# KiCad board AmigaPCI Mainboard.kicad_pcb (continued)
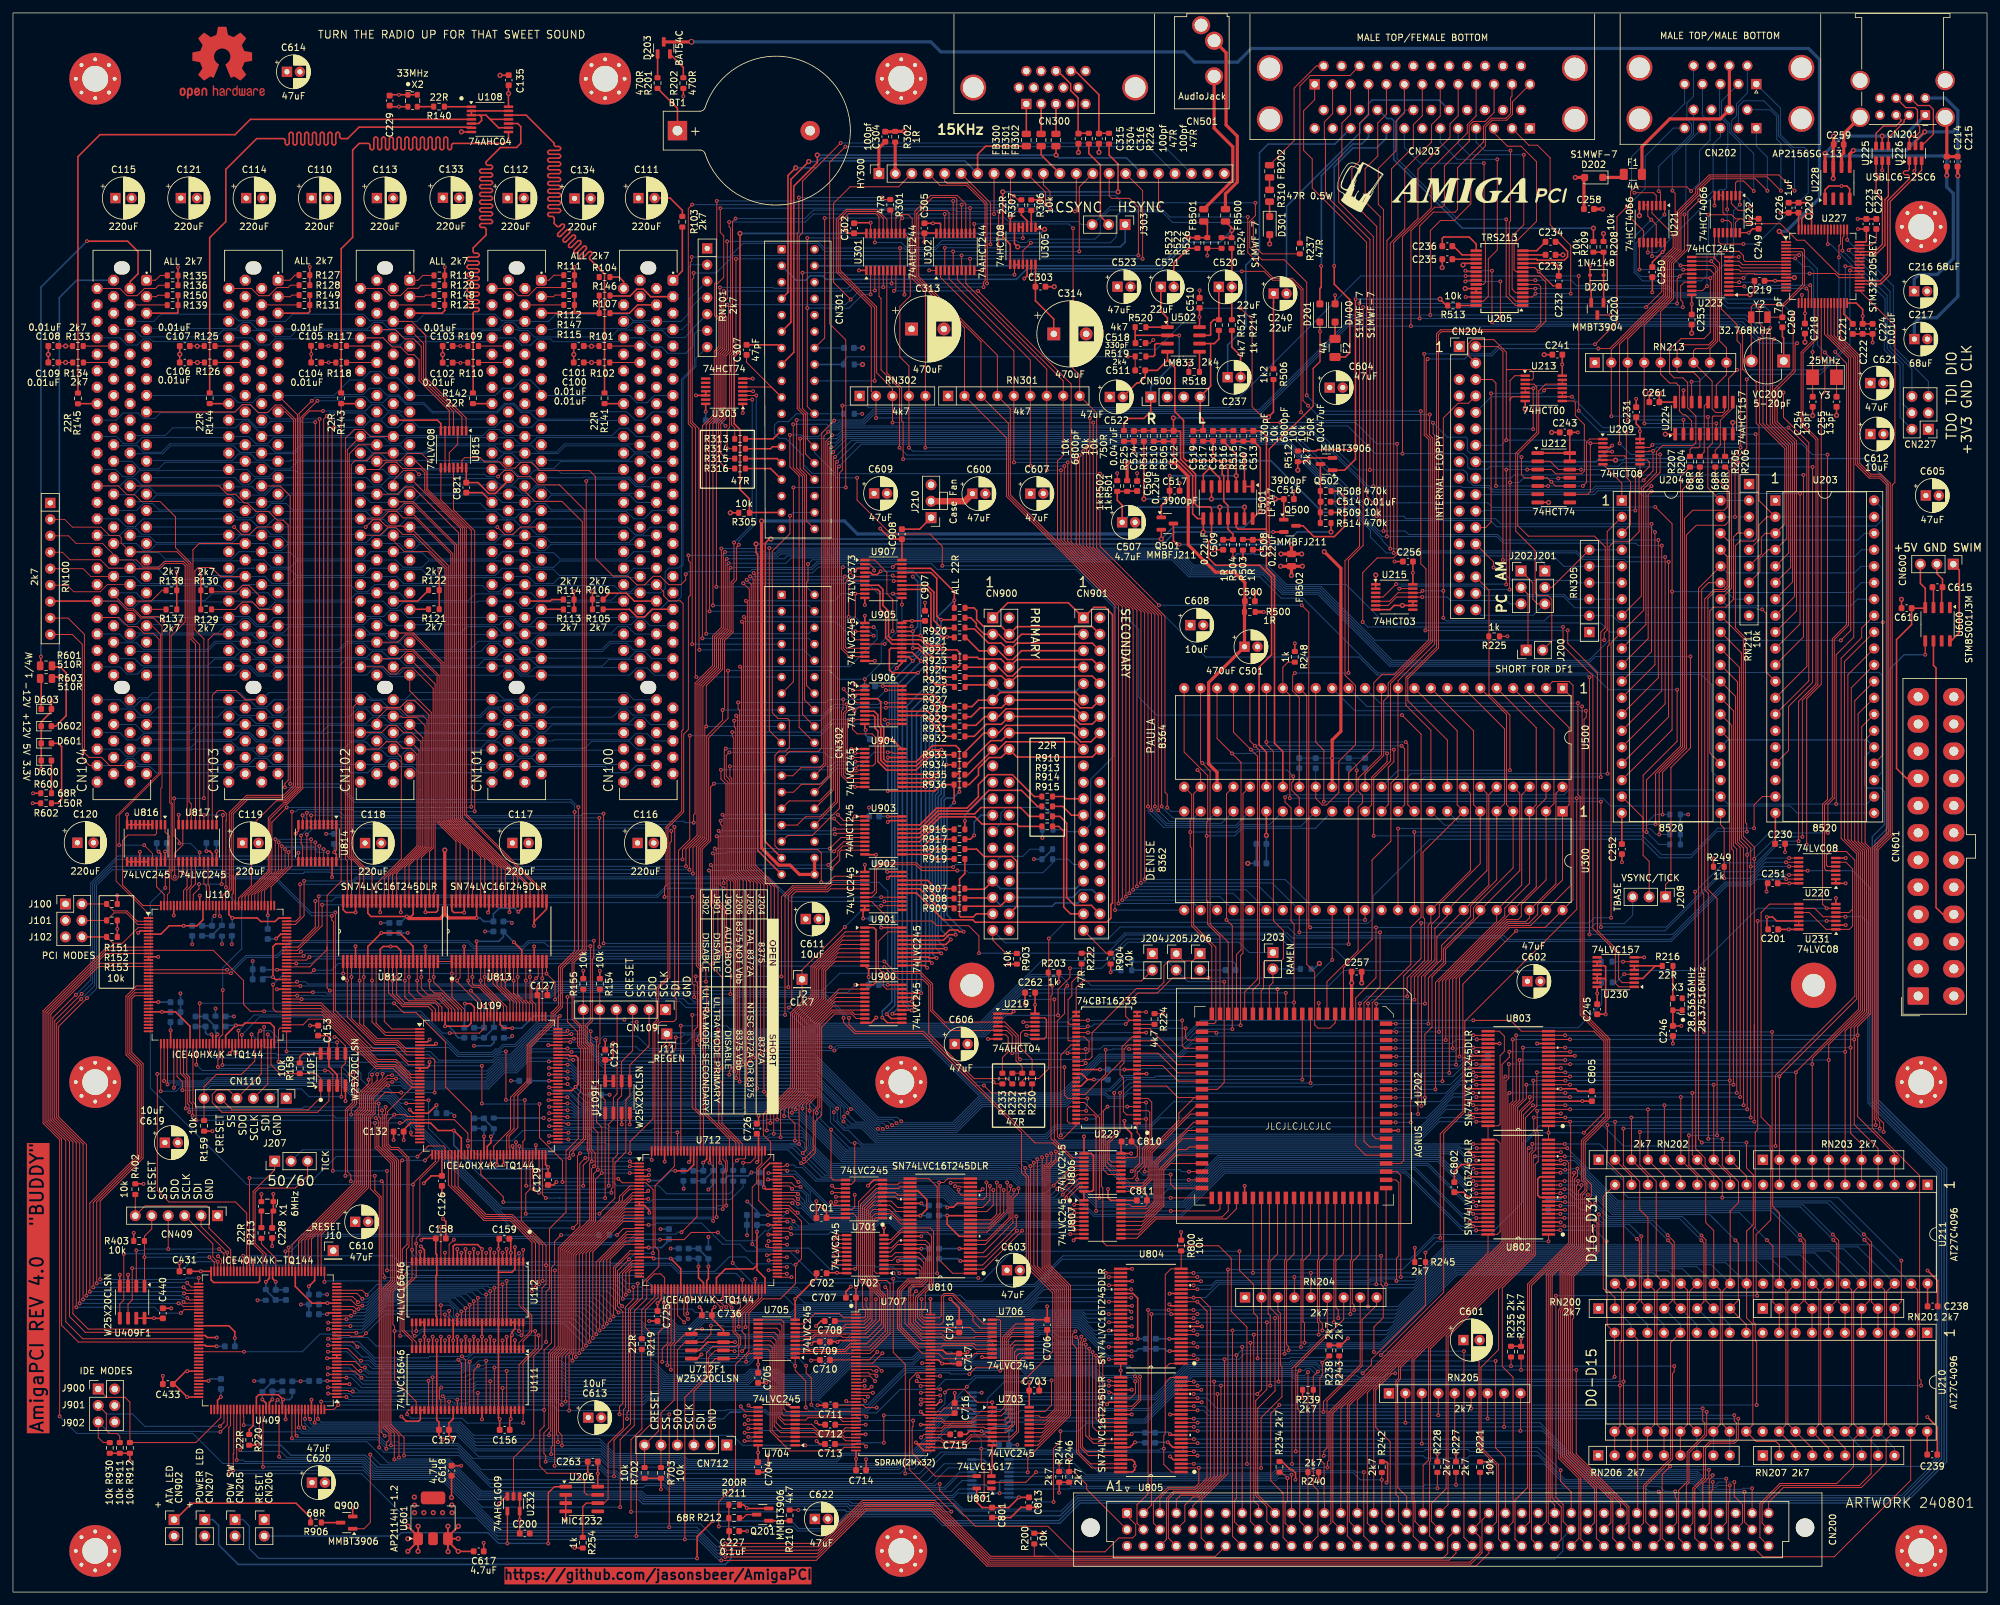
[diagram p0: board, top side]
## Routing (per net, layer and track width the routed paths; a pad name or vN(x,y) marks a point on that pad's centre or on a via; arc(x,y) is an arc through that point) (continued)
  Bottom w0.15: v1(272.73,79.62) v1(240.41,79.62) 240.4,79.61 v1(230.44,79.61)
D25: length 210.1
  Top w0.15: 275.27,62.91 RN203.3 v1(275.27,80.25) 275.27,80.3 284.98,90.01 284.98,114.1 282.79,116.29 282.79,143.67 U203.32 ; v1(235.29,80.25) 235.29,75 233.52,73.23 233.52,52.64 218.56,37.67 218.56,20.38 217.73,19.56 CN200.a19 ; v1(239.68,80.25) 239.68,80.25 U803.14
  Bottom w0.15: v1(275.27,80.25) v1(239.68,80.25) v1(235.29,80.25)
D26: length 218.6
  Top w0.15: U203.31 283.32,141.65 283.32,116.19 285.28,114.23 285.28,89.88 277.81,82.41 v1(277.81,81.53) RN203.4 277.81,62.91 ; U803.16 240.41,81.52 v1(240.42,81.53) ; CN200.a14 205.03,28.39 230.52,53.88 230.52,78.93 230.97,79.38 v1(230.97,81.53)
  Bottom w0.15: v1(277.81,81.53) v1(240.42,81.53) v1(230.97,81.53)
D27: length 217.6
  Top w0.15: U203.30 283.84,139.64 283.84,116.09 285.58,114.35 285.58,89.76 280.35,84.53 v1(280.35,82.16) RN203.5 280.35,62.91 ; U803.17 239.67,82.16 v1(239.67,82.16) ; CN200.b16 209.11,10.65 209.11,30.77 231.72,53.38 231.72,75.09 232.62,75.99 v1(232.62,82.15)
  Bottom w0.15: v1(280.35,82.16) v1(239.67,82.16) 239.66,82.15 v1(232.62,82.15)
D28: length 221.6
  Top w0.15: v1(231.04,83.43) 231.04,82.59 229.92,81.47 229.92,54.13 203.49,27.7 203.49,10.65 CN200.b13 ; 282.89,62.91 RN203.6 v1(282.89,83.43) 282.89,86.64 285.88,89.63 285.88,114.48 284.37,115.99 284.37,137.62 U203.29 ; v1(240.41,83.43) 240.41,83.43 U803.19
  Bottom w0.15: v1(282.89,83.43) v1(240.41,83.43) v1(231.04,83.43)
D29: length 213
  Top w0.15: v1(233.15,84.07) 233.14,84.06 233.14,76.09 232.02,74.97 232.02,53.26 210.11,31.35 CN200.a16 ; 285.43,62.91 RN203.7 285.43,69.15 283.74,70.84 v1(283.74,84.06) 283.74,87.07 286.18,89.51 286.18,114.6 284.89,115.89 284.89,135.6 U203.28 ; v1(239.67,84.06) 239.67,84.06 U803.20
  Bottom w0.15: v1(233.15,84.07) 239.66,84.07 v1(239.67,84.06) v1(283.74,84.06)
D30: length 219
  Top w0.15: v1(231.57,85.33) 231.57,75.79 231.12,75.34 231.12,53.63 206.33,28.84 206.33,10.89 CN200.b15 ; v1(240.41,85.34) 240.4,85.33 U803.22 ; U203.27 285.45,133.62 285.45,115.76 286.48,114.73 286.48,89.38 284.29,87.19 v1(284.29,85.34) 284.29,72.18 287.97,68.5 RN203.8 287.97,62.91
  Bottom w0.15: v1(284.29,85.34) v1(240.41,85.34) 240.4,85.33 v1(231.57,85.33)
D31: length 213.4
  Top w0.15: U803.23 239.66,85.97 v1(239.66,85.97) ; U203.26 285.97,131.6 285.97,115.66 286.78,114.85 286.78,89.26 284.82,87.3 v1(284.82,85.97) 284.82,73.41 290.51,67.72 RN203.9 290.51,62.91 ; CN200.a15 207.57,29.66 231.42,53.51 231.42,75.22 232.1,75.89 232.1,85.96 v1(232.09,85.97)
  Bottom w0.15: v1(232.09,85.97) v1(239.66,85.97) v1(284.82,85.97)
DA0: length 67.5
  Top w0.15: v1(119.21,89.12) 119.2,89.13 119.2,107.45 120.49,108.74 125.47,108.74 126.61,109.89 U902.3 ; v1(104.88,89.11) 104.88,89.1 104.88,74.85 106.12,73.6 U712.129
  Bottom w0.15: v1(119.21,89.12) 104.89,89.12 v1(104.88,89.11)
DA1: length 67.6
  Top w0.15: U712.128 106.62,73.53 105.41,74.74 105.41,82.81 105.18,83.04 105.18,86.75 105.7,87.28 105.7,94.06 105.41,94.36 105.41,95.05 v1(105.41,95.06) ; U902.2 126.84,110.54 125.34,109.04 120.37,109.04 118.65,107.33 v1(118.65,95.06)
  Bottom w0.15: v1(118.65,95.06) v1(105.41,95.06)
DA2: length 66.4
  Top w0.15: U902.4 126.47,109.24 125.67,108.44 120.62,108.44 119.72,107.54 119.72,93.41 v1(119.72,93.4) ; U712.120 110.62,69.95 106.62,73.95 106.62,89.8 107.12,90.3 v1(107.12,93.4)
  Bottom w0.15: v1(119.72,93.4) v1(107.12,93.4)
DBDIR: length 82.6
  Top w0.15: v1(122.4,28.51) 122.4,32.59 120.78,34.21 v1(120.78,34.93) 120.77,34.93 U705.1 ; U706.1 152.31,42.05 152.48,41.88 152.48,35.25 151.93,34.71 148.71,34.71 v1(147.67,33.67) ; v1(101.05,35.02) 101.05,37.98 101.62,38.55 U712.43
  Bottom w0.15: v1(120.78,34.93) 119.48,36.22 114.76,36.22 113.56,35.02 v1(101.05,35.02) ; v1(122.4,28.51) 122.94,27.96 131.95,27.96 137.86,33.88 144.6,33.88 144.81,33.67 v1(147.67,33.67)
DIR: length 81.9
  Top w0.15: v1(276.45,172.5) 276.45,172.49 276.45,147.49 U203.11
  Bottom w0.15: v1(276.45,172.5) 231.77,172.5 231.27,172 CN204.18
DKWE: length 107
  Top w0.15: v1(245.16,125.85) 245.16,148.23 245.85,148.92 245.85,161.39 244.19,163.05 233.98,163.05 232.32,164.7 232.32,175.73 235.58,178.98 235.58,185.47 236.63,186.52 239.21,186.52 U213.13
  Bottom w0.15: v1(245.16,125.85) 217.9,125.85 U500.39
DMAL: length 54.3
  Top w0.15: U500.12 211.31,129.27 207.69,125.66 207.69,123.67 208.38,122.99 208.38,121.89 207.69,121.2 207.69,99.06 202.88,94.24 U202.18
DRA0-G: length 31.8
  Top w0.15: U806.13 174.45,63.18 175.27,63.99 175.27,68.09 180.02,72.84 180.02,73.97 182.4,76.35 U202.42 179.9,76.35 178.12,78.13 U229.10
DRA1-0: length 20
  Top w0.15: 171.18,62.62 174.32,62.62 175.57,63.87 175.57,67.97 182.68,75.08 U202.43
DRA2-1: length 19.9
  Top w0.15: U202.44 181.84,73.81 175.87,67.84 175.87,63.74 174.45,62.32 173.14,62.32 172.7,61.88 U806.11
DRA3-2: length 21.7
  Top w0.15: U202.45 182.29,72.54 176.19,66.44 176.19,60.26 175.12,59.19 U807.18
DRA4-3: length 21.4
  Top w0.15: U202.46 181.44,71.27 176.49,66.32 176.49,60.14 174.89,58.53 U807.17
DRA5-4: length 21.1
  Top w0.15: U202.47 180.6,70 176.79,66.2 176.79,60.02 174.66,57.88 U807.16
DRA6-5: length 20.5
  Top w0.15: U202.48 181.61,68.73 181.2,68.32 179.99,68.32 177.09,65.42 177.09,59.89 174.44,57.24 U807.15
DRA7-6: length 20.2
  Top w0.15: U807.14 174.21,56.58 177.39,59.77 177.39,65.29 179.56,67.46 U202.49
DRA8-7: length 20
  Top w0.15: U202.50 178.71,66.19 177.69,65.17 177.69,59.64 173.99,55.94 U807.13
DRA9-8: length 30.2
  Top w0.15: U229.37 163.35,84.48 161.79,82.92 v1(161.79,70.52) ; v1(168.88,70.29) 168.65,70.06 168.65,65.81 169.34,65.12 U806.16
  Bottom w0.15: v1(168.88,70.29) 168.25,70.91 162.19,70.91 v1(161.79,70.52)
DRD0: length 146.6
  Top w0.15: U500.10 222.99,132.98 222.99,121.57 U300.7 217.71,114.25 217.71,104.19 217.96,103.94 217.96,97.54 215.27,94.85 v1(215.27,91.99) ; v1(144.78,63.2) 144.79,63.19 U810.23 ; U202.14 v1(207.96,90.88)
  In3.Cu w0.15: v1(207.96,90.88) 207.96,86.96 206.81,85.8 163.82,85.8 161.47,83.45 161.47,78.95 147.37,64.84 146.42,64.84 v1(144.78,63.2)
  Bottom w0.15: v1(207.96,90.88) 209.07,91.99 v1(215.27,91.99)
DRD1: length 147.6
  Top w0.15: U810.22 146.3,62.56 146.19,62.67 v1(145.46,62.67) ; v1(216.38,91.46) 216.38,94.98 219.02,97.62 219.02,103.09 220.22,104.29 220.22,106.15 226.55,112.48 U300.6 225.53,121.57 225.53,132.98 U500.9 ; U202.13 v1(209.23,90.88)
  In3.Cu w0.15: v1(145.46,62.67) 147.28,64.49 147.44,64.49 161.77,78.82 161.77,83.33 163.95,85.5 208.31,85.5 209.23,86.43 v1(209.23,90.88)
  Bottom w0.15: v1(209.23,90.88) 209.81,91.46 v1(216.38,91.46)
DRD2: length 149
  Top w0.15: v1(218.01,90.86) 218.01,95.12 220.6,97.7 220.6,99.87 225.04,104.3 225.04,105.91 229.09,109.96 U300.5 230.31,121.76 230.31,133.28 U500.7 ; U810.20 146.43,61.29 146,61.72 v1(146,62.13) ; U202.12 210.5,90.85 v1(210.51,90.86)
  In3.Cu w0.15: v1(146,62.13) 146,62.63 163.54,80.17 163.54,83.49 165.26,85.2 209.1,85.2 210.51,86.62 v1(210.51,90.86)
  Bottom w0.15: v1(210.51,90.86) v1(218.01,90.86)
DRD3: length 149.2
  Top w0.15: v1(150.31,63.24) 150.31,61.09 149.88,60.65 U810.19 ; v1(213.51,87.76) 213.49,87.78 U202.11 ; U500.6 230.61,135.52 230.61,121.57 U300.4 231.63,111.83 225.52,105.73 225.52,104.02 220.9,99.39 220.9,97.21 218.54,94.85 v1(218.54,87.76)
  In3.Cu w0.15: v1(213.51,87.76) 209.14,83.39 174.5,83.39 172.99,84.91 165.39,84.91 163.84,83.36 163.84,80.05 150.31,66.51 v1(150.31,63.24)
  Bottom w0.15: v1(218.54,87.76) v1(213.51,87.76)
DRD4: length 152
  Top w0.15: v1(150.84,62.71) 150.84,60.51 149.71,59.38 U810.17 ; U202.10 213.58,86.51 v1(213.59,86.5) ; U500.5 235.19,133.47 235.19,121.57 U300.3 234.17,109.44 230.34,105.61 230.34,104.41 220.18,94.25 v1(220.18,86.5)
  In3.Cu w0.15: v1(213.59,86.5) 210.18,83.09 164.87,83.09 164.14,82.36 164.14,79.92 150.84,66.62 v1(150.84,62.71)
  Bottom w0.15: v1(213.59,86.5) v1(220.18,86.5)
DRD5: length 156.2
  Top w0.15: U500.4 237.93,133.28 237.93,121.76 U300.2 236.71,109.96 232.89,106.14 232.89,104.33 232.39,103.83 230.61,103.83 221.23,94.45 v1(221.23,85.23) ; U810.16 150.36,58.75 151.36,59.75 v1(151.36,62.08) ; v1(213.48,85.23) 212.02,85.23
  In3.Cu w0.15: v1(213.48,85.23) 211.04,82.79 164.99,82.79 164.44,82.24 164.44,79.8 151.36,66.72 v1(151.36,62.08)
  Bottom w0.15: v1(213.48,85.23) v1(221.23,85.23)
DRD6: length 160.7
  Top w0.15: v1(222.29,83.97) 222.29,94.67 230.86,103.23 234,103.23 235.42,104.65 235.42,106.13 239.25,109.96 U300.1 240.27,121.57 240.27,133.47 U500.3 ; U810.14 151.02,57.48 151.9,58.36 v1(151.9,63.24) ; v1(213.48,83.97) U202.8
  In3.Cu w0.15: v1(213.48,83.97) 211.97,82.46 165.09,82.46 164.74,82.12 164.74,79.68 151.9,66.83 v1(151.9,63.24)
  Bottom w0.15: v1(222.29,83.97) v1(213.48,83.97)
DRD7: length 165.4
  Top w0.15: v1(223.34,82.7) 223.34,94.87 231.11,102.63 236.57,102.63 U300.48 240.88,106.93 240.88,140 240.27,140.6 237.74,140.6 U500.2 ; v1(152.43,62.68) 152.43,58.46 150.81,56.84 U810.13 ; U202.7 v1(213.59,82.7)
  In3.Cu w0.15: v1(152.43,62.68) 152.43,66.93 153,67.51 167.65,82.16 213.05,82.16 v1(213.59,82.7)
  Bottom w0.15: v1(223.34,82.7) v1(213.59,82.7)
DRD8: length 160.2
  Top w0.15: U810.12 150.6,56.21 152.97,58.58 v1(152.97,62.08) ; U500.1 240.57,138.25 240.57,109.17 U300.47 234.33,102.93 230.98,102.93 222.82,94.77 v1(222.82,81.42) ; v1(213.49,81.42) 212.02,81.42
  In3.Cu w0.15: v1(152.97,62.08) 152.97,67.05 153.2,67.29 167.78,81.86 213.05,81.86 v1(213.49,81.42)
  Bottom w0.15: v1(222.82,81.42) v1(213.49,81.42)
DRD9: length 144.8
  Top w0.15: U500.48 238.23,123.31 238.23,109.36 U300.46 234.17,104.12 233.58,103.53 230.73,103.53 221.77,94.57 v1(221.77,80.17) ; v1(213.48,80.17) 212.02,80.17 ; v1(153.5,63.24) 153.5,58.69 150.38,55.57 U810.11
  In3.Cu w0.15: v1(153.5,63.24) 153.5,67.15 167.9,81.56 212.09,81.56 v1(213.48,80.17)
  Bottom w0.15: v1(221.77,80.17) v1(213.48,80.17)
DRD10: length 144
  Top w0.15: U810.9 150.31,54.31 153.8,57.78 153.8,61.77 154.02,62 v1(154.02,62.69) ; 231.63,105.28 220.7,94.35 220.7,78.88 v1(220.71,78.88) ; v1(213.48,78.88) 212.02,78.88 ; U500.47 236.71,122.57 235.19,121.05 235.19,108.87 U300.45
  In3.Cu w0.15: v1(213.48,78.88) 211.14,81.21 174.54,81.21 174.5,81.26 169.41,81.26 167.97,79.81 166.58,79.81 154.02,67.25 v1(154.02,62.69)
  Bottom w0.15: v1(220.71,78.88) v1(213.48,78.88)
DRD11: length 144.2
  Top w0.15: v1(213.47,77.62) U202.3 ; U500.46 232.95,123.12 232.95,109.17 U300.44 229.09,103.58 219.64,94.13 v1(219.64,77.62) ; v1(154.55,62.08) 154.55,61.5 154.1,61.05 154.1,57.66 150.1,53.67 U810.8
  In3.Cu w0.15: v1(154.55,62.08) 154.55,63.41 154.32,63.64 154.32,67.13 165.59,78.4 167.12,78.4 168.68,79.96 173.72,79.96 174.67,80.91 210.18,80.91 v1(213.47,77.62)
  Bottom w0.15: v1(219.64,77.62) v1(213.47,77.62)
DRD12: length 145.8
  Top w0.15: U500.45 232.65,123.31 232.65,111.41 U300.43 226.55,104.56 226.49,104.56 221.2,99.27 221.2,97.09 219.1,94.99 219.1,87.24 218,86.13 v1(218,76.35) ; U810.6 149.79,52.4 154.39,57 154.39,60.77 155.25,61.63 v1(155.25,62.32) ; v1(213.47,76.34) 212.02,76.34
  In3.Cu w0.15: v1(155.25,62.32) 155.25,63.13 154.62,63.76 154.62,67.01 165.72,78.1 167.24,78.1 168.8,79.66 173.84,79.66 174.79,80.61 209.19,80.61 v1(213.47,76.34)
  Bottom w0.15: v1(213.47,76.34) 213.48,76.35 v1(218,76.35)
DRD13: length 145.4
  Top w0.15: U500.44 227.88,123.12 227.88,109.17 U300.42 219.85,101.14 219.85,97.38 217.47,95 v1(217.47,75.08) ; U810.5 150.25,51.76 154.92,56.44 v1(154.92,58) ; v1(213.46,75.08) U202.1
  In3.Cu w0.15: v1(154.92,58) 154.92,60.78 155.78,61.64 155.78,63.03 154.92,63.89 154.92,66.88 165.84,77.8 167.37,77.8 168.91,79.35 198.56,79.35 198.86,79.66 208.88,79.66 v1(213.46,75.08)
  Bottom w0.15: v1(217.47,75.08) v1(213.46,75.08)
DRD14: length 147.1
  Top w0.15: v1(216.96,73.81) 216.93,73.84 216.93,95.02 219.55,97.64 219.55,102.47 219.54,102.48 221.47,104.41 U300.41 227.57,111.41 227.57,123.31 U500.43 ; 147.84,50.5 149.72,50.5 v1(155.03,55.81) ; v1(213.5,73.81) U202.84
  In3.Cu w0.15: v1(155.03,55.81) 155.44,56.22 155.44,60.88 156.08,61.51 156.08,63.15 155.22,64.01 155.22,66.76 165.97,77.5 167.49,77.5 168.27,78.28 199.29,78.28 200.13,79.12 208.19,79.12 v1(213.5,73.81)
  Bottom w0.15: v1(216.96,73.81) v1(213.5,73.81)
DRD15: length 146.7
  Top w0.15: v1(215.82,72.53) 215.82,90.74 215.85,90.77 215.85,94.93 218.5,97.58 218.5,102.99 218.93,103.42 U300.40 225.04,111.41 225.04,123.31 U500.42 ; v1(213.49,72.53) 212.02,72.53 ; v1(155.82,55.81) 149.88,49.86 U810.2
  In3.Cu w0.15: v1(155.82,55.81) 155.82,60.83 156.4,61.41 156.4,63.26 155.52,64.14 155.52,66.63 166.09,77.2 167.61,77.2 168.4,77.98 208.04,77.98 v1(213.49,72.53)
  Bottom w0.15: v1(215.82,72.53) v1(213.49,72.53)
DRDDIR: length 48.9
  Top w0.15: U810.1 145.08,49.22 143,51.31 143,63.23 v1(142.99,63.24) 143.71,63.24 144.3,63.83 U810.24 ; U712.107 119.05,65.7 119.29,65.94 v1(119.56,65.94)
  Bottom w0.15: v1(142.99,63.24) 141.96,63.24 141.74,63.46 123.95,63.46 121.84,65.57 120.94,65.57 120.57,65.94 v1(119.56,65.94)
FLTLEFT: length 78.5
  Top w0.25: FB500.1 188.15,210.7 188.15,210.28 v2(188.18,210.25) 188.15,210.22 188.15,209.14 186.61,209.14
  Bottom w0.25: CN301.3 120.93,202.56 122.41,202.56 123.09,203.24 125.04,203.24 125.58,202.7 154.93,202.7 156.57,204.34 177.34,204.34 181.42,208.42 186.36,208.42 v2(188.18,210.25)
FLTRIGHT: length 65.2
  Top w0.25: FB501.1 184.41,211.09 184.41,209.14 181.51,209.14 v2(181.51,209.15)
  Bottom w0.25: CN301.4 177.16,204.8 v2(181.51,209.15)
IDEDIR: length 103
  Top w0.15: 42.28,91.56 v1(44.56,91.56) ; v1(130.06,93.76) U900.1
  Top w0.25: U901.1 132.9,102.6 133.26,102.24 133.26,94.18 132.84,93.76 U900.1
  Bottom w0.15: v1(130.06,93.76) 128.87,92.56 111.74,92.56 110.91,91.73 106.58,91.73 105.91,92.41 99.16,92.41 98.67,92.9 84.19,92.9 83.03,91.74 66.53,91.74 66.35,91.56 v1(44.56,91.56)
IDSEL0: length 135.8
  Top w0.15: v1(86.49,67.53) 86.49,68.05 88.38,69.94 88.38,83.96 87.76,84.58 87.76,87.44 86.62,88.57 86.62,97.22 88.51,99.1 88.51,171.54 v1(88.52,171.55) ; U109.48 70.23,68.88 v1(70.24,68.89)
  Bottom w0.15: v1(88.52,171.55) 88.84,171.87 95.06,171.87 96.25,170.68 99.24,170.68 ; v1(86.49,67.53) 86.49,67.53 71.59,67.53 v1(70.24,68.89)
IDSEL1: length 114.1
  Top w0.15: U109.61 76.73,68.54 76.6,68.66 76.6,70.38 77.95,71.72 77.95,76.67 79.99,78.71 79.99,84.21 83.68,87.9 83.68,89.18 84.82,90.32 84.82,96.27 87.91,99.35 87.91,165.27 84.76,168.42 80.59,168.42 79.04,169.96 CN101.A26
IDSEL2: length 150.9
  Top w0.13: v1(74.9,172.25) 75.83,173.18 76.98,173.18 77.93,172.23 79.87,172.23 81.13,170.97 83.4,170.97 ; CN102.A26 58.72,171.64 60.26,173.18 62.12,173.18 v1(62.7,172.6)
  Top w0.15: v1(85.92,67.01) 85.92,67.9 88.09,70.07 88.09,83.84 87.46,84.46 87.46,87.31 86.32,88.45 86.32,97.34 88.21,99.23 88.21,167.13 84.37,170.97 83.4,170.97 ; U109.55 v1(73.73,66.06)
  Bottom w0.13: v1(62.7,172.6) 72.84,172.6 73.2,172.24 74.89,172.24 v1(74.9,172.25)
  Bottom w0.15: v1(73.73,66.06) 73.73,66.13 74.61,67.01 v1(85.92,67.01)
IDSEL3: length 153.8
  Top w0.15: v1(42.8,124.79) 42.8,169.26 41.25,170.8 CN103.A26 ; U109.60 76.23,70.42 77.36,71.55 77.36,76.5 79.69,78.83 79.69,84.33 83.38,88.02 83.38,89.3 84.53,90.45 84.53,96.39 87.3,99.17 v1(87.3,121.21)
  Bottom w0.15: v1(42.8,124.79) 50.3,124.79 52.72,122.37 86.14,122.37 v1(87.3,121.21)
IDSEL4: length 174.2
  Top w0.15: v1(86.72,120.45) 86.72,99.01 84.22,96.51 84.22,90.57 83.08,89.43 83.08,88.15 79.39,84.46 79.39,78.96 76.83,76.4 76.83,73.12 ; CN104.A26 31.82,170.8 33.12,169.5 34.39,169.5 35.72,168.17 36.2,168.17 37.53,166.84 39.49,166.84 40.81,165.52 41.73,165.52 42.5,164.75 42.5,125.36 41.98,124.84 v1(41.98,124.27) ; 76.83,73.12 76.83,71.45 ; 76.83,73.12 76.83,71.45 ; 76.83,71.45 74.23,68.85 U109.56
  Bottom w0.15: v1(86.72,120.45) 86.72,121.37 86.12,121.97 52.7,121.97 50.4,124.26 41.99,124.26 v1(41.98,124.27)
INTRP: length 102.5
  Top w0.15: v1(134.05,107.3) 134.06,107.29 U902.14 ; v1(44.95,109.81) 44.95,104.44 43.6,103.09 U110.106
  Bottom w0.15: v1(134.05,107.3) 119.83,107.3 116.69,110.44 52.97,110.44 52.35,109.81 v1(44.95,109.81)
INTRS: length 102.1
  Top w0.15: U902.13 v1(134.55,106.64) ; v1(44.33,109.28) 44.33,104.24 43.68,103.59 U110.107
  Bottom w0.15: v1(134.55,106.64) 120.07,106.64 116.57,110.13 53.1,110.13 52.25,109.28 v1(44.33,109.28)
IORDY: length 98.8
  Top w0.15: v1(43.07,120.51) 43.07,112.13 39.84,108.9 U110.110 ; v1(71.29,120.56) 71.29,120.56 71.29,163.87 68.02,167.14 U815.11
  Bottom w0.15: v1(71.29,120.56) 71.24,120.51 52.7,120.51 52.35,120.85 44,120.85 43.66,120.51 v1(43.07,120.51)
KBData: length 57.6
  Top w0.15: v1(267.7,187.26) 267.7,176.66 265.88,174.84 v1(265.88,166.02) ; U227.39 283.75,203.97 v1(283.62,204.1)
  Bottom w0.15: U204.39 RN211.3 ; v1(283.62,204.1) 283.62,192.6 279.06,188.04 268.48,188.04 v1(267.7,187.26)
LVA0: length 233
  Top w0.15: v1(86.92,36.32) 86.91,36.32 86.91,52.04 95.58,60.7 U712.12 v1(98.09,60.7) ; v1(164.04,40.27) 163.58,39.81 163.58,38.31 164.21,37.68 164.21,27 164.21,27 164.21,21.53 166.58,19.17 U805.47 ; U110.62 v1(35.34,86.05)
  In2.Cu w0.15: v1(98.09,60.7) 98.62,61.22 98.62,62.16 96.84,63.93 96.84,84.98 96.3,85.52 v1(96.3,88.04)
  Bottom w0.15: v1(86.92,36.32) 104.66,36.32 104.9,36.07 113.76,36.07 114.51,36.82 124.72,36.82 127.96,40.06 158.03,40.06 158.38,40.41 160.84,40.41 160.95,40.31 164,40.31 v1(164.04,40.27) ; v1(96.3,88.04) 95.45,88.04 95.22,87.81 81.16,87.81 77.61,84.25 75.78,84.25 75.08,83.55 74.62,83.55 74.07,83.01 68.79,83.01 62.98,88.81 38.1,88.81 v1(35.34,86.05)
LVA1: length 262.7
  Top w0.15: U805.29 169.86,30.6 169.63,30.82 v1(169.24,30.82) ; v1(98.09,61.94) 97.85,61.7 U712.10 95.73,61.7 86.29,52.26 86.29,36.95 85.87,36.52 85.87,28.02 v1(85.87,28.02) ; v1(34.82,86.7) 34.81,86.69 34.81,84.7 ; U409.144 49.54,28.2 v1(50.23,28.88)
  In2.Cu w0.15: v1(94.4,88.39) 94.4,87 96.54,84.86 96.54,63.49 v1(98.09,61.94)
  Bottom w0.15: v1(34.82,86.7) 37.24,89.11 63.11,89.11 68.91,83.31 73.95,83.31 74.49,83.85 74.96,83.85 75.66,84.55 77.48,84.55 81.32,88.39 v1(94.4,88.39) ; v1(50.23,28.88) 83.32,28.88 84.18,28.02 v1(85.87,28.02) 110.02,28.02 110.14,28.14 116.21,28.14 116.69,27.66 133.35,27.66 136.98,31.3 142.43,31.3 143.97,32.83 147.87,32.83 148.43,33.39 166.68,33.39 v1(169.24,30.82)
LVA2: length 170.1
  Top w0.15: U409.143 v1(47.59,29.41) ; v1(84.75,28.9) 84.75,36.4 85.69,37.34 85.69,52.51 93.66,60.48 93.66,61.09 95.27,62.7 U712.8 ; v1(169.21,31.87) U805.27 ; U111.38 v1(67.34,29.41)
  Bottom w0.15: v1(47.59,29.41) 48.82,29.41 v1(67.34,29.41) 67.84,29.41 68.07,29.18 70.09,29.18 70.31,29.41 83.96,29.41 84.47,28.9 v1(84.75,28.9) 97.27,28.9 98,29.64 124.49,29.64 125.16,28.97 132.02,28.97 137.54,34.5 151.5,34.5 151.76,34.75 155.17,34.75 156.23,33.69 166.8,33.69 168.62,31.87 v1(169.21,31.87)
LVA3: length 165.5
  Top w0.15: U111.40 v1(68.61,29.71) ; v1(85.33,29.43) 85.33,36.45 85.99,37.11 85.99,52.39 94.11,60.51 94.11,61.12 95.19,62.2 U712.9 ; U805.26 169.81,32.5 169.69,32.62 v1(169.23,32.62) ; v1(51.49,30.12) 50.01,30.12
  Bottom w0.15: v1(169.23,32.62) 168.29,32.62 166.92,33.99 156.35,33.99 155.29,35.05 145.23,35.05 144.42,35.85 142.28,35.85 141.22,34.8 129.47,34.8 124.61,29.94 97.88,29.94 97.37,29.43 v1(85.33,29.43) 84.67,29.43 84.39,29.71 v1(68.61,29.71) 68.25,29.71 68.02,29.93 67,29.93 66.78,29.71 51.9,29.71 v1(51.49,30.12)
LVA4: length 162.6
  Top w0.15: v1(53.18,37.88) 52.45,38.61 U409.18 ; U712.15 94.5,59.2 87.44,52.13 87.44,36.9 v1(87.44,36.9) ; v1(68.77,35.87) 69.25,35.39 U111.41 ; U804.47 v1(169.21,35.94)
  Bottom w0.15: v1(53.18,37.88) 53.72,37.88 55.96,35.64 68.33,35.64 68.56,35.87 v1(68.77,35.87) 70.06,35.87 71.09,36.9 v1(87.44,36.9) 105.3,36.9 105.66,37.26 106.95,37.26 107.84,36.38 113.64,36.38 114.39,37.12 124.6,37.12 127.84,40.37 157.9,40.37 158.37,40.83 164.32,40.83 v1(169.21,35.94)
LVA5: length 167.9
  Top w0.15: v1(87.96,37.48) 87.96,37.49 87.96,52.23 94.42,58.7 U712.16 ; U804.46 172.55,36.57 v1(172.73,36.4) ; U111.42 69.88,35.84 v1(69.33,36.39) ; v1(48.65,39.11) U409.19
  Bottom w0.15: v1(172.73,36.4) 172.66,36.46 169.11,36.46 164.44,41.13 158.25,41.13 157.78,40.66 127.71,40.66 124.47,37.43 114.26,37.43 113.51,36.68 107.96,36.68 107.07,37.56 105.54,37.56 105.46,37.48 v1(87.96,37.48) 71.25,37.48 70.16,36.39 v1(69.33,36.39) 64.35,36.39 64.12,36.16 55.86,36.16 53.36,38.66 49.1,38.66 v1(48.65,39.11)
LVA6: length 154.8
  Top w0.15: 53.35,39.5 54.04,39.5 v1(54.51,39.97) ; 53.35,39.5 52.12,39.5 52.01,39.61 U409.20 ; 53.35,39.5 53.86,39.5 53.86,39.5 ; v1(169.21,37.85) 169.21,37.84 171.03,37.84 ; v1(88.48,38.05) 88.49,38.06 88.49,52.34 94.35,58.2 U712.17 ; v1(66.7,42.86) 66.71,42.85 U112.37
  Bottom w0.15: 107.89,37.72 124.35,37.72 127.59,40.96 157.65,40.96 158.12,41.43 164.57,41.43 168.15,37.85 v1(169.21,37.85) ; 107.89,37.72 107.34,37.72 107.01,38.05 v1(88.48,38.05) 85.09,41.44 68.12,41.44 v1(66.7,42.86) 66.65,42.91 57.45,42.91 v1(54.51,39.97) ; 107.89,37.72 107.43,37.72
LVA7: length 159.7
  Top w0.15: v1(172.67,38.49) 172.66,38.48 U804.43 ; v1(89.01,38.64) 89.01,38.64 89.01,52.44 94.27,57.7 U712.18 ; U112.38 v1(67.34,43.42) ; v1(53.03,40.02) 52.94,40.11 U409.21
  Bottom w0.15: v1(172.67,38.49) 167.93,38.49 164.69,41.73 158,41.73 157.53,41.26 127.46,41.26 125.09,38.89 122.8,38.89 121.93,38.02 107.55,38.02 106.98,38.59 89.06,38.59 v1(89.01,38.64) 87.69,39.95 ; 69.01,41.75 68.49,41.75 ; 69.01,41.75 85.91,41.75 ; 69.01,41.75 68.49,41.75 ; 68.49,41.75 67.34,42.9 v1(67.34,43.42) 57.2,43.42 53.81,40.02 v1(53.03,40.02) ; 85.91,41.75 87.69,39.95 ; 85.91,41.75 87.69,39.95
LVA8: length 158.8
  Top w0.15: U804.41 v1(172.7,39.75) ; v1(89.54,39.23) 89.53,39.24 89.53,52.54 94.22,57.22 96.68,57.22 ; U112.36 v1(66.07,44.3) ; v1(48.66,40.61) U409.22
  Bottom w0.15: v1(172.7,39.75) 167.1,39.75 164.81,42.03 157.87,42.03 157.41,41.56 127.34,41.56 124.97,39.19 105.9,39.19 105.59,38.89 101.92,38.89 101.58,39.23 v1(89.54,39.23) 86.5,42.27 68.39,42.27 68.01,42.65 68.01,43.7 67.42,44.3 v1(66.07,44.3) 57.65,44.3 53.91,40.56 48.72,40.56 v1(48.66,40.61)
LVA9: length 148.4
  Top w0.15: U804.40 169.21,40.38 v1(169.21,40.38) ; v1(90.06,39.8) 90.06,39.81 90.06,50.94 94.81,55.7 U712.22 ; U112.40 v1(68.61,42.8) ; 52.11,41.11 U409.23
  Bottom w0.15: v1(52.11,41.08) 54.01,41.08 57.75,44.82 67.32,44.82 68.61,43.53 v1(68.61,42.8) 87.06,42.8 v1(90.06,39.8) 90.09,39.82 101.41,39.82 102.04,39.19 105.11,39.19 105.41,39.5 124.85,39.5 127.22,41.87 157.28,41.87 157.75,42.33 164.94,42.33 166.91,40.36 169.19,40.36 v1(169.21,40.38)
LVA10: length 149.4
  Top w0.15: v1(169.23,41.66) 169.24,41.65 U804.38 ; v1(69.24,43.32) 69.25,43.31 U112.41 ; v1(48.67,41.6) 49.99,41.6 ; U712.23 94.74,55.2 90.58,51.04 v1(90.58,40.39)
  Bottom w0.15: v1(169.23,41.66) 166.04,41.66 165.06,42.63 157.63,42.63 157.16,42.16 127.09,42.16 124.72,39.8 105.29,39.8 104.98,39.49 102.17,39.49 101.53,40.12 97.49,40.12 97.23,40.38 90.59,40.38 v1(90.58,40.39) 87.65,43.32 v1(69.24,43.32) 67.44,45.12 57.63,45.12 54.11,41.6 48.68,41.6 v1(48.67,41.6)
LVA11: length 149.1
  Top w0.15: U712.24 94.66,54.7 91.15,51.19 v1(91.15,40.91) ; v1(51.49,42.13) 50.02,42.13 ; U112.42 v1(69.88,43.84) ; U804.37 v1(172.68,42.29)
  Bottom w0.15: v1(172.68,42.29) 165.83,42.29 165.19,42.93 157.5,42.93 157.12,42.55 121.62,42.55 120.74,41.66 106.73,41.66 104.86,39.79 102.29,39.79 101.66,40.43 97.62,40.43 97.14,40.9 91.15,40.9 v1(91.15,40.91) 88.21,43.84 v1(69.88,43.84) 68.31,45.42 57.51,45.42 54.22,42.13 v1(51.49,42.13)
LVA12: length 144.8
  Top w0.15: v1(91.69,41.43) 91.69,51.3 94.59,54.2 U712.25 ; v1(70.52,44.37) 70.51,44.37 U112.43 ; v1(52.2,42.65) 50.05,42.65 ; v1(169.21,42.93) 169.21,42.93 U804.36
  Bottom w0.15: v1(169.21,42.93) 165.61,42.93 165.31,43.23 157.38,43.23 156.99,42.85 121.5,42.85 120.62,41.96 106.61,41.96 104.74,40.09 102.42,40.09 101.78,40.72 97.74,40.72 97.04,41.43 v1(91.69,41.43) 88.75,44.37 v1(70.52,44.37) 69.17,45.72 57.38,45.72 54.32,42.65 v1(52.2,42.65)
LVA13: length 147.6
  Top w0.15: U804.35 172.38,43.56 v1(172.68,43.26) ; U409.28 52.34,43.61 v1(52.76,43.19) ; U112.44 v1(71.15,44.89) ; U712.26 94.51,53.7 92.21,51.39 92.21,41.99 v1(92.21,41.98)
  Bottom w0.15: v1(52.76,43.19) 52.77,43.18 54.42,43.18 57.26,46.02 70.03,46.02 v1(71.15,44.89) 89.29,44.89 v1(92.21,41.98) 96.91,41.98 97.64,41.25 101.68,41.25 102.47,40.46 104.68,40.46 106.48,42.26 120.49,42.26 121.38,43.15 156.87,43.15 157.25,43.53 172.41,43.53 v1(172.68,43.26)
LVA14: length 142.7
  Top w0.15: v1(53.35,43.7) 52.99,43.7 52.58,44.11 U409.29 ; U712.28 95.28,52.7 92.74,50.16 92.74,42.57 v1(92.73,42.56) ; U804.33 v1(169.23,44.83) ; v1(71.79,45.42) 71.78,45.41 U112.45
  Bottom w0.15: v1(53.35,43.7) 54.52,43.7 57.13,46.32 70.89,46.32 v1(71.79,45.42) 89.87,45.42 v1(92.73,42.56) 100.8,42.56 102.6,40.76 104.55,40.76 106.36,42.56 120.37,42.56 121.25,43.45 156.74,43.45 158.12,44.83 v1(169.23,44.83)
LVA15: length 146.6
  Top w0.15: v1(172.67,45.46) 172.67,45.46 171.03,45.46 ; U712.29 95.2,52.2 93.04,50.04 93.04,44.56 ; v1(53.94,44.23) 53.07,44.23 52.19,45.11 U409.31 ; 93.04,43.65 93.04,44.56 ; 93.04,44.56 93.04,43.63 v1(93.51,43.16) ; 73.06,41.65 73.06,45.94 v1(73.06,45.94)
  Bottom w0.15: v1(53.94,44.23) 54.62,44.23 57.01,46.62 71.75,46.62 72.43,45.94 v1(73.06,45.94) 90.73,45.94 v1(93.51,43.16) 100.62,43.16 102.72,41.06 104.43,41.06 106.24,42.87 120.24,42.87 121.13,43.75 156.62,43.75 158.33,45.46 v1(172.67,45.46)
